# Altium PCB egse_pcb.PcbDoc (part 1 of 3) (continued)
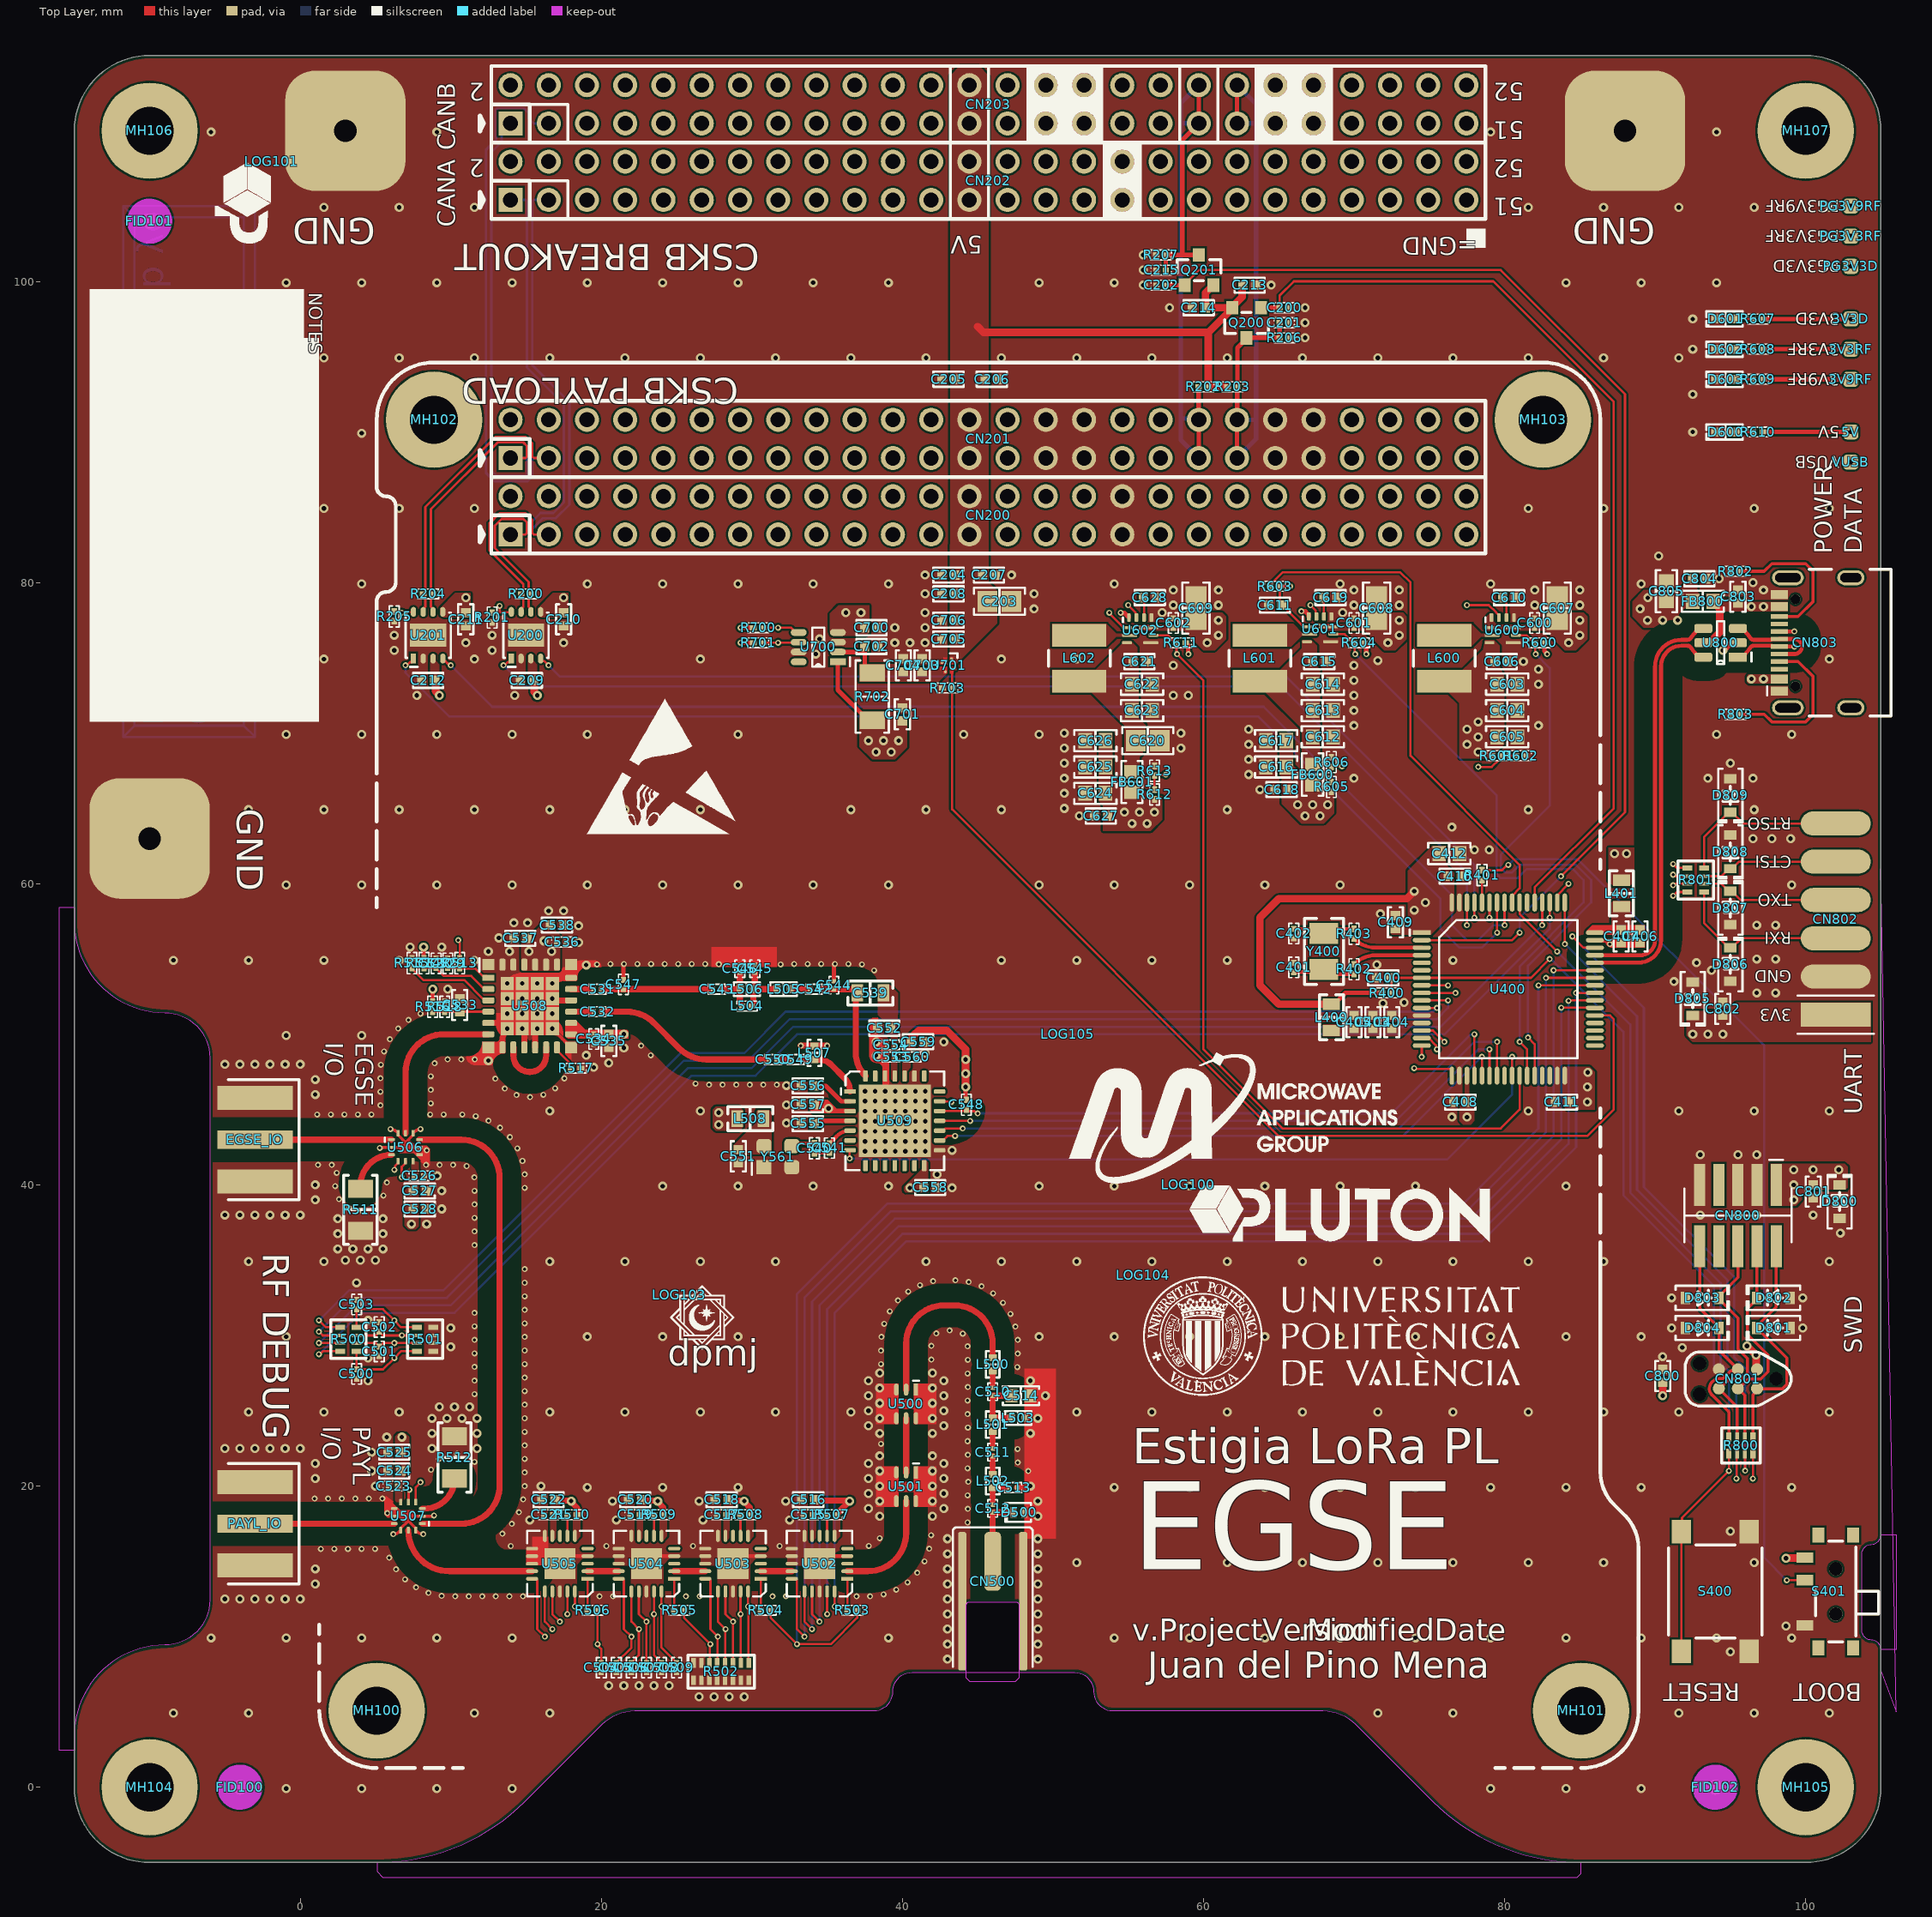
[diagram p0: Top Layer view]
## Components (designator, comment, footprint, x,y, rotation, side; value= is the part's Value field where it differs from the comment) (continued)
CN200 "SAMTEC SSQ-126-04-G-D" "SAMTEC SSQ-126-04-G-D" 13.97,83.19 r0 top locked
CN201 "SAMTEC SSQ-126-04-G-D" "SAMTEC SSQ-126-04-G-D" 13.97,88.27 r0 top locked
CN202 "SAMTEC SSQ-126-04-G-D" "SAMTEC SSQ NO 3D" 13.97,105.41 r0 top locked
CN203 "SAMTEC SSQ-126-04-G-D" "SAMTEC SSQ NO 3D" 13.97,110.49 r0 top locked
CN500 "CONMMCX013" CONMMCX013 46,15 r0 top
CN800 "FTSH-105-L-DV 2x5 1.27mm" "SAMTEC FTSH-105-L-DV" 95.5,37.965 r180 top locked
CN801 "TC2030-ICD" TC2030-MCP-NL 95.5,27.115 r180 top locked
CN802 "1x6 2.54mm" "HEADER 1X6 2.54MM" 102,51.3 r90 top
CN803 "USB4105-GF-A" USB4105-GF-A 101.835,76 r90 top locked
D500 "LXES15AAA1-153" 0402 47.75,18.25 r180 top
D600 "Green" "LED 0402_1005 GREEN" 94.675,90 r180 top
D601 "Yellow" "LED 0402_1005 YELLOW" 94.675,97.5 r180 top
D602 "Yellow" "LED 0402_1005 YELLOW" 94.675,95.5 r180 top
D603 "Red" "LED 0402_1005 RED" 94.675,93.5 r180 top
D800 "PESD3V3L1BA,115" SOD323 102.25,38.887 r90 top
D801 "PESD3V3L1BA,115" SOD323 97.862,30.5 r180 top
D802 "PESD3V3L1BA,115" SOD323 97.862,32.5 r180 top
D803 "PESD3V3L1BA,115" SOD323 93.137,32.5 r0 top
D804 "PESD3V3L1BA,115" SOD323 93.137,30.5 r0 top
D805 "PESD3V3L1BA,115" SOD323 92.5,52.362 r270 top
D806 "PESD3V3L1BA,115" SOD323 95,54.638 r90 top
D807 "PESD3V3L1BA,115" SOD323 95,58.388 r90 top
D808 "PESD3V3L1BA,115" SOD323 95,62.112 r270 top
D809 "PESD3V3L1BA,115" SOD323 95,65.862 r270 top
EGSE_IO "CON-SMA-EDGE-S" CON-SMA-EDGE-S -3,43 r90 top locked
FB600 "8.5 Ohms @ 100 MHz" "FER 0603_1608" 67.25,67.25 r270 top
FB601 "8.5 Ohms @ 100 MHz" "FER 0603_1608" 55.25,66.75 r270 top
FB800 "8.5 Ohms @ 100 MHz" "FER 0603_1608" 93.175,78.75 r180 top locked
FID100 "Fiducial Mark" FIDUCIAL_1_3_MM -4,0 r0 top locked
FID101 "Fiducial Mark" FIDUCIAL_1_3_MM -10,104 r0 top locked
FID102 "Fiducial Mark" FIDUCIAL_1_3_MM 94,0 r0 top
L400 "100nH" "IND 0603_1608 RF WW" 68.5,51.125 r270 top
L401 "100nH" "IND 0603_1608 RF WW" 87.769,59.353 r270 top
L500 "100 nH" "IND 0402_1005 RF WW" 46,28.08 r270 top
L501 "100 nH" "IND 0402_1005 RF WW" 46,24.08 r270 top
L502 "6 nH" "IND 0402_1005 RF WW" 46,20.33 r270 top
L503 "2.2 nH" "IND 0402_1005 RF WW" 47.69,24.52 r0 top
L504 "2.2 pF" "CAP 0201_0603" 29.677,51.874 r180 top
L505 "3.3 nH" "IND 0402_1005 RF WW" 32.11,53 r180 top
L506 "15 nH" "IND 0402_1005 RF WW" 29.67,53 r180 top
L507 "18 nH" "IND 0402_1005 RF WW" 34.16,48.765 r90 top
L508 "100nH" "IND 0603_1608 RF WW" 29.9,44.4 r0 top
L600 "2.2 µH" "BOURNS SRN4018" 76,74.975 r270 top
L601 "2.2 µH" "BOURNS SRN4018" 63.75,74.975 r270 top
L602 "2.2 µH" "BOURNS SRN4018" 51.75,74.975 r270 top
LOG100 "Pluton" logo_pluton 59,40 r0 top
LOG101 "Pluton isotype" logo_pluton_isotype -1.905,107.95 r270 top
LOG102 "Pluton iso small" logo_pluton_isotype_small -27.7,32.3 r270 top
LOG103 "AEA" logo_aea 25.2,32.7 r0 top
LOG104 "UPV" logo_upv 56,34 r0 top
LOG105 "MAG large" logo_mag_big 51,50 r0 top
MH100 "M3" "MH CUBESAT M3" 5.08,5.08 r0 top locked
MH101 "M3" "MH CUBESAT M3" 85.09,5.08 r0 top locked
MH102 "M3" "MH CUBESAT M3" 8.89,90.81 r0 top locked
MH103 "M3" "MH CUBESAT M3" 82.55,90.81 r0 top locked
MH104 "M3" "MH CUBESAT M3" -10,0 r0 top locked
MH105 "M3" "MH CUBESAT M3" 100,0 r0 top locked
MH106 "M3" "MH CUBESAT M3" -10,110 r0 top locked
MH107 "M3" "MH CUBESAT M3" 100,110 r0 top locked
PAYL_IO "CON-SMA-EDGE-S" CON-SMA-EDGE-S -3,17.5 r90 top locked
PG3V3D "Value" testpoint_via 103,101 r90 top
PG3V3RF "Value" testpoint_via 103,103 r90 top
PG3V9RF "Value" testpoint_via 103,105 r90 top
Q200 "BSS84-7-F" "DIODES SOT-23-3" 62.86,97.25 r270 top
Q201 "BSS84-7-F" "DIODES SOT-23-3" 59.7,100.75 r90 top
R200 "120 Ohms" "RES 0201_0603" 15,79.25 r180 top
R201 "100 kOhms" "RES 0201_0603" 12.75,77.675 r90 top
R202 "1 MOhms" "RES 0201_0603" 60,93 r0 top
R203 "1 MOhms" "RES 0201_0603" 61.925,93 r180 top
R204 "120 Ohms" "RES 0201_0603" 8.5,79.25 r180 top
R205 "100 kOhms" "RES 0201_0603" 6.25,77.75 r90 top
R206 "100 kOhms" "RES 0201_0603" 65.385,96.25 r0 top
R207 "100 kOhms" "RES 0201_0603" 57.175,101.75 r180 top
R400 "10 kOhms" "RES 0201_0603" 72.175,52.75 r180 top
R401 "10 kOhms" "RES 0201_0603" 78.5,60.575 r270 top
R402 "0 Ohms" "RES 0201_0603" 70,54.325 r90 top
R403 "0 Ohms" "RES 0201_0603" 70,56.675 r270 top
R500 "EXB-28V102JX" "RESNET 0804-8 CONVEX" 3.2,29.75 r0 top
R501 "EXB-28V472JX" "RESNET 0804-8 CONVEX" 8.3,29.75 r0 top
R502 "YC248-JR-0710KL" "RESNET 1606-16 CONVEX" 27.969,7.675 r90 top
R503 "10 kOhms" "RES 0201_0603" 36.675,11.75 r180 top
R504 "10 kOhms" "RES 0201_0603" 30.925,11.75 r180 top
R505 "10 kOhms" "RES 0201_0603" 25.175,11.75 r180 top
R506 "10 kOhms" "RES 0201_0603" 19.425,11.75 r180 top
R507 "10 kOhms" "RES 0201_0603" 35.325,18.095 r0 top
R508 "10 kOhms" "RES 0201_0603" 29.575,18.095 r0 top
R509 "10 kOhms" "RES 0201_0603" 23.825,18.095 r0 top
R510 "10 kOhms" "RES 0201_0603" 18.075,18.095 r0 top
R511 "49.9 Ohms" "RES 1206_3216" 4,38.35 r90 top locked
R512 "49.9 Ohms" "RES 1206_3216" 10.25,21.9 r270 top
R513 "1 kOhms" "RES 0201_0603" 10.6,54.725 r90 top
R514 "10 kOhms" "RES 0201_0603" 8.225,54.725 r90 top
R515 "0 Ohms" "RES 0201_0603" 7.425,54.725 r270 top
R516 "5.1 kOhms" "RES 0201_0603" 8.8,51.825 r90 top
R517 "0 Ohms" "RES 0201_0603" 18.325,47.75 r180 top
R518 "3.3 kOhms" "RES 0201_0603" 9.6,51.825 r270 top
R600 "100 kOhms" "RES 0201_0603" 82.325,76 r0 top
R601 "2.49 kOhms" "RES 0201_0603" 79.5,68.5 r180 top
R602 "4.87 kOhms" "RES 0201_0603" 81.075,68.5 r180 top
R603 "10 kOhms" "RES 0201_0603" 64.75,79.75 r180 top
R604 "100 kOhms" "RES 0201_0603" 70.325,76 r0 top
R605 "15.4 kOhms" "RES 0201_0603" 68.5,66.425 r270 top
R606 "4.87 kOhms" "RES 0201_0603" 68.5,68.075 r270 top
R607 "680 Ohms" "RES 0201_0603" 96.825,97.5 r0 top
R608 "680 Ohms" "RES 0201_0603" 96.825,95.5 r0 top
R609 "750 Ohms" "RES 0201_0603" 96.825,93.5 r0 top
R610 "1.5 kOhms" "RES 0201_0603" 96.825,90 r0 top
R611 "100 kOhms" "RES 0201_0603" 58.5,76 r0 top
R612 "19.1 kOhms" "RES 0201_0603" 56.75,65.925 r270 top
R613 "4.87 kOhms" "RES 0201_0603" 56.75,67.5 r270 top
R700 "4.7 kOhms" "RES 0201_0603" 30.425,77 r180 top
R701 "4.7 kOhms" "RES 0201_0603" 30.425,76 r180 top
R702 "10 mOhms" "STACKPOLE CSR1206" 38,72.425 r270 top
R703 "100 kOhms" "RES 0201_0603" 42.985,73 r180 top
R800 "YC124-FR-0749R9L" "RESNET 0804-8 CONVEX" 95.7,22.7 r270 top
R801 "YC124-FR-0749R9L" "RESNET 0804-8 CONVEX" 92.7,60.25 r180 top
R802 "5.1 kOhms" "RES 0201_0603" 95.325,80.75 r0 top locked
R803 "5.1 kOhms" "RES 0201_0603" 95.325,71.25 r0 top locked
S400 "430152043836" WS-TASV_L6W6H4.3_4301x20438x6 94,13 r270 top
S401 "450404015514" "WURTH WS-SLSU 450404015514" 102,13 r270 top
U200 "MCP2542FDT-E/MF" "DFN-8 3X3MM" 15,76.5 r90 top
U201 "MCP2542FDT-E/MF" "DFN-8 3X3MM" 8.5,76.5 r90 top
U400 "STM32L496RGT3" LQFP64 74.5,56.75 r0 top locked
U500 "YAT-3A+" MC1630 40.9,26.4 r270 top
U501 "YAT-30A+" MC1630 40.9,20.9 r270 top
U502 "DAT-31R5A-PP+" DG983-2 36.345,13.845 r180 top
U503 "DAT-31R5A-PP+" DG983-2 30.595,13.845 r180 top
U504 "DAT-31R5A-PP+" DG983-2 24.845,13.845 r180 top
U505 "DAT-31R5A-PP+" DG983-2 19.095,13.845 r180 top
U506 "SKY13373-460LF" SKY13373-460LF 7,42.5 r0 top locked
U507 "SKY13373-460LF" SKY13373-460LF 7.18,18 r180 top locked
U508 "SKY65366-21" MCM-28-SKY65366-21 12.5,53.75 r0 top locked
U509 "SX1276IMLTRT" QFN-28 36.525,46.2 r0 top locked
U600 "TPS62912" VQFN-HR-TPS6291X 79.125,77.675 r0 top
U601 "TPS62912" VQFN-HR-TPS6291X 67,77.75 r0 top
U602 "TPS62912" VQFN-HR-TPS6291X 55.05,77.675 r0 top
U700 "INA232" SOP-23-8 35.715,74.735 r180 top
U701 "MIC94080YFT" MIC94080YFT 43.06,74.5 r180 top
U800 "USBLC6-2SC6" SOT23-6L 95.5,75.05 r180 top locked
VUSB "Value" testpoint_via 103,88 r90 top
Y400 "32.768 kHz" "ABRACON ABS07" 68,55.5 r90 top
Y561 "FT2MNTUM-32.0-T1" TCXO-XTAL-FT2MN 30.81,42.575 r0 top (schematic designator C561)

## Footprints (in the part's own frame and the unit in brackets; to place one, negate y for a bottom-side part, rotate by r counter-clockwise, add the part's x,y. Pads: shape width x height; smd on the part's side, far side on the other; paste and mask are expansions set on the pad)
0402 [mm] "SODFL, 2-Leads, Body 0.675x1.075mm, IPC Medium Density"
  rect 0.4x0.7 smd: 1(-0.35,0) 2(0.35,0)
  silkscreen extent -0.8,-0.63 0.92,0.63, body extent -0.51,-0.31 0.5,0.3, height 0.45
"ABRACON ABS07" [mm] "Crystal, 2-Leads, Body 3.20x1.50mm, IPC Medium Density"
  rect 1.4x1.9 smd: 1(-1.2,0) 2(1.2,0)
  silkscreen extent -2.2,-1.3 2.2,1.3, body extent -1.62,-0.77 1.63,0.78, height 0.9
"BOURNS SRN4018" [mm] "Power Inductor, 2-Leads, Bourns, SRN4018-220M"
  rect 1.5x3.6 smd: 1(-1.525,0) 2(1.525,0)
  silkscreen extent -0.53,-2.05 0.53,2.05, body extent -2.05,-2.05 2.05,2.05, height 1.8
"CAP 0201_0603" [mm] "Chip Capacitor, 2-Leads, Body 0.60x0.30mm, IPC Medium Density"
  rect 0.4x0.35 smd: 1(-0.31,0) 2(0.31,0)
  silkscreen extent -0.67,-0.33 0.67,0.33, body extent -0.3,-0.15 0.3,0.15, height 0.3
"CAP 0201_0603 RF" [mm] "Chip Capacitor, 2-Leads, Body 0.60x0.30mm, IPC High Density"
  rect 0.3x0.32 smd: 1(-0.26,0) 2(0.26,0)
  silkscreen extent -0.58,-0.33 0.58,0.33, body extent -0.3,-0.15 0.3,0.15, height 0.3
"CAP 0402_1005" [mm] "Chip Capacitor, 2-Leads, Body 1.02x0.51mm, IPC Medium Density"
  rect 0.6x0.64 smd: 1(-0.44,0) 2(0.44,0)
  silkscreen extent -1,-0.5 1,0.5, body extent -0.5,-0.26 0.5,0.26, height 0.52
"CAP 0603_1608" [mm] "Chip Capacitor, 2-Leads, Body 1.60x0.80mm, IPC Medium Density"
  rect 0.9x1 smd: 1(-0.675,0) 2(0.675,0)
  silkscreen extent -1.4,-0.7 1.4,0.7, body extent -0.8,-0.41 0.8,0.41, height 0.82
"CAP 0603_1608 RF" [mm] "Chip Capacitor, 2-Leads, Body 1.60x0.80mm, IPC High Density"
  rect 0.8x0.9 smd: 1(-0.625,0) 2(0.625,0)
  silkscreen extent -1.2,-0.63 1.2,0.63, body extent -0.8,-0.41 0.8,0.41, height 0.82
"CAP 0805_2012" [mm] "Chip Capacitor, 2-Leads, Body 2.00x1.20mm, IPC Medium Density"
  rect 1.3x1.4 smd: 1(-0.8,0) 2(0.8,0)
  silkscreen extent -1.7,-0.9 1.7,0.9, body extent -1,-0.64 1,0.64, height 1.26
CON-SMA-EDGE-S [mm] "CON-SMA-EDGE-S"
  rect 1.2x5 smd paste+0 mask+0: 1(0,0)
  rect 1.6x5 smd paste+0 mask+0: 2(-2.77,0) 2(2.77,0)
  rect 1.6x5 smd far side paste+0 mask+0: 4(-2.77,0) 5(2.77,0)
  silkscreen extent -4,-2.94 4,1.76, body extent -3.67,-2.6 3.67,12.12, height 0.25
CONMMCX013 [mm] "Linx technologies CONMMCX013 MMCX Jack PCB Cutout Edge Mount Connector"
  rrect50% 1.1x3.9 smd: 1(0,0)
  rrect50% 0.55x9.2 smd: 2(-2.025,-2.65) 2(2.025,-2.65)
  silkscreen extent -2.65,-7 2.65,2.25, body extent -2.25,-7.37 2.25,0.13, height 2.15
"DFN-8 3X3MM" [mm] "DFN, 8-Leads, Body 3.00x3.00mm, Pitch 0.65mm, Thermal Pad 1.50x2.0mm, IPC Medium Density"
  rect 1.55x2.4 smd: 0(0,0)
  rect 0.65x0.35 smd: 1(-1.55,0.975)
  oval 0.65x0.35 smd: 2(-1.55,0.325) 3(-1.55,-0.325) 4(-1.55,-0.975) 5(1.55,-0.975) 6(1.55,-0.325) 7(1.55,0.325) 8(1.55,0.975)
  silkscreen extent -2.1,-1.5 1.5,1.5, body extent -1.5,-1.5 1.5,1.5, height 1.05
DG983-2 [mm] "Mini-Circuits DG983-2"
  rect 2.06x2.06 smd: 0(1.845,-1)
  rect 0.81x0.25 smd: 1(0,0)
  oval 0.81x0.25 smd: 2(0,-0.5) 3(0,-1) 4(0,-1.5) 5(0,-2) 11(3.69,-2) 12(3.69,-1.5) 13(3.69,-1) 14(3.69,-0.5) 15(3.69,0)
  oval 0.25x0.81 smd: 6(0.845,-2.845) 7(1.345,-2.845) 8(1.845,-2.845) 9(2.345,-2.845) 10(2.845,-2.845) 16(2.845,0.845) 17(2.345,0.845) 18(1.845,0.845) 19(1.345,0.845) 20(0.845,0.845)
  silkscreen extent -0.33,-3.17 4.02,1.17, body extent -0.21,-3.05 3.9,1.05, height 0.85
"DIODES SOT-23-3" [mm] "SOT23, 3-Leads, Body 2.90x2.40mm, Pitch 0.95mm, IPC Medium Density"
  rect 0.9x0.8 smd: 1(-1,0.95) 2(-1,-0.95) 3(1,0)
  silkscreen extent -0.7,-1.45 0.7,1.45, body extent -1.41,-1.45 1.41,1.45, height 1.5
"FER 0603_1608" [mm] "Chip Ferrite, 2-Leads, Body 1.60x0.80mm, IPC Medium Density"
  rect 0.9x1 smd: 1(-0.675,0) 2(0.675,0)
  silkscreen extent -1.4,-0.7 1.4,0.7, body extent -0.8,-0.41 0.8,0.41, height 0.82
FIDUCIAL_1_3_MM [mm]
  round 1 smd mask+1: 0(0,0)
  Top Layer keep-out circle w1.5: c0,0 r0.75
"HEADER 1X6 2.54MM" [mm] "Header 1x6 2.54mm THT for UART"
  rect 1.6x4.65 smd: 1(0,0)
  oval 1.6x4.65 smd: 2(2.54,0) 3(5.08,0) 4(7.62,0) 5(10.16,0) 6(12.7,0)
  silkscreen extent -1.27,-2.54 1.27,2.54
"IND 0402_1005 RF WW" [mm] "Chip Inductor, 2-Leads, Body 1.00x0.50mm, IPC High Density"
  rect 0.48x0.54 smd: 1(-0.44,0) 2(0.44,0)
  silkscreen extent -0.87,-0.45 0.87,0.45, body extent -0.5,-0.29 0.5,0.29, height 0.51
"IND 0603_1608 RF WW" [mm] "Chip Inductor, 2-Leads, Body 1.65x0.99mm, IPC Medium Density"
  rect 0.76x1.13 smd: 1(-0.875,0) 2(0.875,0)
  silkscreen extent -1.5,-0.8 1.5,0.8, body extent -0.84,-0.58 0.83,0.58, height 1
"LED 0402_1005 GREEN" [mm] "Chip Diode, 2-Leads, Body 1.00x0.50mm, IPC Medium Density"
  rect 0.75x0.6 smd: 1(-0.575,0) 2(0.575,0)
  silkscreen extent -1.14,-0.51 1.27,0.51, body extent -0.5,-0.25 0.5,0.25, height 0.21
"LED 0402_1005 RED" [mm] "Chip Diode, 2-Leads, Body 1.00x0.50mm, IPC Medium Density"
  rect 0.75x0.6 smd: 1(-0.575,0) 2(0.575,0)
  silkscreen extent -1.14,-0.51 1.27,0.51, body extent -0.5,-0.25 0.5,0.25, height 0.21
"LED 0402_1005 YELLOW" [mm] "Chip Diode, 2-Leads, Body 1.00x0.50mm, IPC Medium Density"
  rect 0.75x0.6 smd: 1(-0.575,0) 2(0.575,0)
  silkscreen extent -1.14,-0.51 1.27,0.51, body extent -0.5,-0.25 0.5,0.25, height 0.21
logo_aea [mm]
  silkscreen extent -0.62,-3.63 3.63,0.62
logo_mag_big [mm]
  silkscreen extent 0.07,-9.89 21.88,-1.22
logo_pluton [mm]
  silkscreen extent 0.07,-3.8 20.03,-0.06
logo_pluton_isotype [mm]
  silkscreen extent 0.07,-3.75 5.43,-0.06
logo_pluton_isotype_small [mm]
  silkscreen extent 0.06,-1.61 2.53,0.12
logo_upv [mm]
  silkscreen extent 0,-8 25,-0.09
LQFP64 [mm]
  rect 1.2x0.3 smd: 1(0,0)
  oval 1.2x0.3 smd: 2(0,-0.5) 3(0,-1) 4(0,-1.5) 5(0,-2) 6(0,-2.5) 7(0,-3) 8(0,-3.5) 9(0,-4) 10(0,-4.5) 11(0,-5) 12(0,-5.5) 13(0,-6) 14(0,-6.5) 15(0,-7) 16(0,-7.5) 33(11.5,-7.5) 34(11.5,-7) 35(11.5,-6.5) 36(11.5,-6) 37(11.5,-5.5) 38(11.5,-5) 39(11.5,-4.5) 40(11.5,-4) 41(11.5,-3.5) 42(11.5,-3) 43(11.5,-2.5) 44(11.5,-2) 45(11.5,-1.5) 46(11.5,-1) 47(11.5,-0.5) 48(11.5,0)
  oval 0.3x1.2 smd: 17(2,-9.5) 18(2.5,-9.5) 19(3,-9.5) 20(3.5,-9.5) 21(4,-9.5) 22(4.5,-9.5) 23(5,-9.5) 24(5.5,-9.5) 25(6,-9.5) 26(6.5,-9.5) 27(7,-9.5) 28(7.5,-9.5) 29(8,-9.5) 30(8.5,-9.5) 31(9,-9.5) 32(9.5,-9.5) 49(9.5,2) 50(9,2) 51(8.5,2) 52(8,2) 53(7.5,2) 54(7,2) 55(6.5,2) 56(6,2) 57(5.5,2) 58(5,2) 59(4.5,2) 60(4,2) 61(3.5,2) 62(3,2) 63(2.5,2) 64(2,2)
  silkscreen extent -0.8,-8.34 10.34,0.84, body extent -0.25,-9.75 11.75,2.25, height 1.56
MC1630 [mm] "Mini-Circuits MC1630"
  round 0.025 smd: 0(0.95,-0.65)
  rect 0.8x0.3 smd: 1(0,0)
  oval 0.8x0.3 smd: 2(0,-0.65) 3(0,-1.3) 4(1.9,0) 5(1.9,-0.65) 6(1.9,-1.3)
  Top Layer region: 1.275,-1.275 0.625,-1.275 0.625,-0.22 0.82,-0.025 1.275,-0.025
  silkscreen extent -0.6,-0.2 -0.6,0.2, body extent -0.06,-1.65 1.96,0.35, height 0.85
MCM-28-SKY65366-21 [mm]
  rect 0.875x0.875 smd: 0(1.25,-3.375) 0(1.25,-2.375) 0(1.25,-1.375) 0(1.25,-0.375) 0(2.25,-3.375) 0(2.25,-2.375) 0(2.25,-1.375) 0(2.25,-0.375) 0(3.25,-3.375) 0(3.25,-2.375) 0(3.25,-1.375) 0(3.25,-0.375) 0(4.25,-3.375) 0(4.25,-2.375) 0(4.25,-1.375) 0(4.25,-0.375)
  rect 0.8x0.75 smd: 1(0,0.875) 8(0,-4.625) 15(5.499,-4.625) 22(5.499,0.875)
  rect 0.8x0.4 smd: 2(0,0)
  rrect50% 0.8x0.4 smd: 3(0,-0.75) 4(0,-1.5) 5(0,-2.25) 6(0,-3) 7(0,-3.75) 16(5.499,-3.75) 17(5.499,-3) 18(5.499,-2.25) 19(5.499,-1.5) 20(5.499,-0.75) 21(5.499,0)
  rrect50% 0.4x0.8 smd: 9(0.937,-4.625) 10(1.662,-4.625) 11(2.387,-4.625) 12(3.112,-4.625) 13(3.837,-4.625) 14(4.562,-4.625) 23(4.562,0.875) 24(3.837,0.875) 25(3.112,0.875) 26(2.387,0.875) 27(1.662,0.875) 28(0.937,0.875)
  silkscreen extent -0.6,0.4 -0.6,1.3, body extent -0.23,-4.88 5.77,1.12, height 1.05
"MH CUBESAT M3" [mm]
  round 6.4 hole 3.2: 1(0,0)
MIC94080YFT [mm] "MIC94080YFT"
  round 0.198 smd paste-1000 mask+0: 1(-0.2,-0.42) 2(0.42,-0.2) 3(0.2,0.42) 4(-0.42,0.2)
  Top Layer region: -0.53,-0.09 -0.09,-0.09 -0.09,-0.53 -0.32,-0.53 -0.32,-0.32 -0.53,-0.32
  Top Layer region: 0.53,-0.09 0.09,-0.09 0.09,-0.525 0.32,-0.53 0.32,-0.32 0.53,-0.32
  Top Layer region: 0.53,0.09 0.09,0.09 0.09,0.53 0.32,0.53 0.32,0.32 0.53,0.32
  Top Layer region: -0.53,0.09 -0.09,0.09 -0.09,0.53 -0.32,0.53 -0.32,0.32 -0.53,0.32
  silkscreen extent -0.6,-0.8 -0.1,-0.5, body extent -0.63,-0.63 0.63,0.63, height 0.25
QFN-28 [mm]
  rect 4.8x4.8 smd: 0(2.975,-1.95)
  rect 0.75x0.3 smd: 1(0,0)
  rrect50% 0.75x0.3 smd: 2(0,-0.65) 3(0,-1.3) 4(0,-1.95) 5(0,-2.6) 6(0,-3.25) 7(0,-3.9) 15(5.95,-3.9) 16(5.95,-3.25) 17(5.95,-2.6) 18(5.95,-1.95) 19(5.95,-1.3) 20(5.95,-0.65) 21(5.95,0)
  rrect50% 0.3x0.75 smd: 8(1.025,-4.925) 9(1.675,-4.925) 10(2.325,-4.925) 11(2.975,-4.925) 12(3.625,-4.925) 13(4.275,-4.925) 14(4.925,-4.925) 22(4.925,1.025) 23(4.275,1.025) 24(3.625,1.025) 25(2.975,1.025) 26(2.325,1.025) 27(1.675,1.025) 28(1.025,1.025)
  silkscreen extent -0.6,-5.23 6.25,1.32, body extent 0,-4.97 6,1.02, height 0.88
"RES 0201_0603" [mm] "Chip Resistor, 2-Leads, Body 0.60x0.30mm, IPC Medium Density"
  rect 0.44x0.35 smd: 1(-0.325,0) 2(0.325,0)
  silkscreen extent -0.7,-0.33 0.7,0.33, body extent -0.3,-0.15 0.3,0.15, height 0.21
"RES 1206_3216" [mm] "Chip Resistor, 2-Leads, Body 3.13x1.55mm, IPC Medium Density"
  rect 1.2x1.65 smd: 1(-1.4,0) 2(1.4,0)
  silkscreen extent -2.3,-1.1 2.3,1.1, body extent -1.6,-0.8 1.6,0.8, height 0.6
"RESNET 0804-8 CONVEX" [mm] "4 resistor 2.0x1.0mm, 0.65mm high"
  rect 0.65x0.35 smd: 1(-0.55,0.8) 4(-0.55,-0.8) 5(0.55,-0.8) 8(0.55,0.8)
  rect 0.65x0.25 smd: 2(-0.55,0.25) 3(-0.55,-0.25) 6(0.55,-0.25) 7(0.55,0.25)
  silkscreen extent -1.17,-1.28 1.17,1.28, body extent -0.53,-1.02 0.53,1.03, height 0.56
"RESNET 1606-16 CONVEX" [mm] "Array Chip Resistor, 16 leads, 8 resistors"
  rect 0.65x0.3 smd mask+0.032: 1(-0.575,1.84) 2(-0.575,1.316) 4(-0.575,0.267) 5(-0.575,-0.257) 6(-0.575,-0.781) 7(-0.575,-1.306) 8(-0.575,-1.83) 9(0.575,-1.83) 10(0.575,-1.306) 11(0.575,-0.781) 12(0.575,-0.257) 13(0.575,0.267) 15(0.575,1.316) 16(0.575,1.84)
  rect 0.65x0.3 smd paste+0 mask+0.032: 3(-0.575,0.791) 14(0.575,0.791)
  silkscreen extent -1.1,-2.2 1.1,2.2, body extent -0.84,-2.03 0.84,2.02, height 0.56
"SAMTEC FTSH-105-L-DV" [mm] "Samtec ftsh-105-l-dv"
  rect 0.74x2.79 smd paste+0 mask+0: 1(-2.54,-2.035) 2(-2.54,2.035) 3(-1.27,-2.035) 4(-1.27,2.035) 5(0,-2.035) 6(0,2.035) 7(1.27,-2.035) 8(1.27,2.035) 9(2.54,-2.035) 10(2.54,2.035)
  silkscreen extent -3.56,-3.7 3.56,1.78, body extent -3.18,-2.92 3.18,2.92, height 6.11
"SAMTEC SSQ NO 3D" [mm] "THROUGH-HOLE .025\" SQ POST SOCKET (2.54 mm) .100\" PITCH, SSW/SSQ SERIES"
  rect 1.6x1.6 hole 1: 1(0,0)
  round 1.6 hole 1: 2(0,2.54) 3(2.54,0) 4(2.54,2.54) 5(5.08,0) 6(5.08,2.54) 7(7.62,0) 8(7.62,2.54) 9(10.16,0) 10(10.16,2.54) 11(12.7,0) 12(12.7,2.54) 13(15.24,0) 14(15.24,2.54) 15(17.78,0) 16(17.78,2.54) 17(20.32,0) 18(20.32,2.54) 19(22.86,0) 20(22.86,2.54) 21(25.4,0) 22(25.4,2.54) 23(27.94,0) 24(27.94,2.54) 25(30.48,0) 26(30.48,2.54) 27(33.02,0) 28(33.02,2.54) 29(35.56,0) 30(35.56,2.54) 31(38.1,0) 32(38.1,2.54) 33(40.64,0) 34(40.64,2.54) 35(43.18,0) 36(43.18,2.54) 37(45.72,0) 38(45.72,2.54) 39(48.26,0) 40(48.26,2.54) 41(50.8,0) 42(50.8,2.54) 43(53.34,0) 44(53.34,2.54) 45(55.88,0) 46(55.88,2.54) 47(58.42,0) 48(58.42,2.54) 49(60.96,0) 50(60.96,2.54) 51(63.5,0) 52(63.5,2.54)
  silkscreen extent -2.03,-1.27 64.77,3.81
"SAMTEC SSQ-126-04-G-D" [mm] "THROUGH-HOLE .025\" SQ POST SOCKET (2.54 mm) .100\" PITCH, SSW/SSQ SERIES"
  rect 1.6x1.6 hole 1: 1(0,0)
  round 1.6 hole 1: 2(0,2.54) 3(2.54,0) 4(2.54,2.54) 5(5.08,0) 6(5.08,2.54) 7(7.62,0) 8(7.62,2.54) 9(10.16,0) 10(10.16,2.54) 11(12.7,0) 12(12.7,2.54) 13(15.24,0) 14(15.24,2.54) 15(17.78,0) 16(17.78,2.54) 17(20.32,0) 18(20.32,2.54) 19(22.86,0) 20(22.86,2.54) 21(25.4,0) 22(25.4,2.54) 23(27.94,0) 24(27.94,2.54) 25(30.48,0) 26(30.48,2.54) 27(33.02,0) 28(33.02,2.54) 29(35.56,0) 30(35.56,2.54) 31(38.1,0) 32(38.1,2.54) 33(40.64,0) 34(40.64,2.54) 35(43.18,0) 36(43.18,2.54) 37(45.72,0) 38(45.72,2.54) 39(48.26,0) 40(48.26,2.54) 41(50.8,0) 42(50.8,2.54) 43(53.34,0) 44(53.34,2.54) 45(55.88,0) 46(55.88,2.54) 47(58.42,0) 48(58.42,2.54) 49(60.96,0) 50(60.96,2.54) 51(63.5,0) 52(63.5,2.54)
  silkscreen extent -2.03,-1.27 64.77,3.81, body extent -1.52,-1.21 65.02,3.75, height 8.51
SKY13373-460LF [mm] "SKY13373-460LF"
  round 0.025 smd paste+0: 0(0,0)
  rect 0.44x0.2 smd paste+0: 1(-0.93,0.5)
  rrect50% 0.44x0.2 smd paste+0: 2(-0.93,0) 3(-0.93,-0.5) 7(0.93,-0.5) 8(0.93,0) 9(0.93,0.5)
  rrect50% 0.2x0.44 smd paste+0: 4(-0.5,-0.93) 5(0,-0.93) 6(0.5,-0.93) 10(0.5,0.93) 11(0,0.93) 12(-0.5,0.93)
  Top Layer region: 0.38,-0.38 -0.38,-0.38 -0.38,0.152 -0.152,0.38 0.38,0.38
  silkscreen extent -1.38,0.38 -1.38,0.63, body extent -1,-1 1,1, height 0.55
SOD323 [mm] "SOD, 2-Leads, Body 1.25x2.50mm, IPC Medium Density"
  rect 0.625x0.83 smd: 1(-1.112,0) 2(1.112,0)
  silkscreen extent -1.78,-0.8 1.78,0.8, body extent -1.36,-0.62 1.36,0.62, height 1.05
SOP-23-8 [mm]
  rect 1.05x0.45 smd: 1(0,0)
  oval 1.05x0.45 smd: 2(0,-0.65) 3(0,-1.3) 4(0,-1.95) 5(2.6,-1.95) 6(2.6,-1.3) 7(2.6,-0.65) 8(2.6,0)
  silkscreen extent -0.8,-2.28 1.7,0.33, body extent -0.1,-2.45 2.7,0.45, height 1.1
SOT23-6L [mm]
  rect 1.2x0.6 smd: 1(0,0)
  rrect50% 1.2x0.6 smd: 2(0,-0.95) 3(0,-1.9) 4(2.3,-1.9) 5(2.3,-0.95) 6(2.3,0)
  silkscreen extent -0.9,-2.38 1.39,0.48, body extent -0.25,-2.41 2.55,0.51, height 1.45
"STACKPOLE CSR1206" [mm] "Chip Resistor, 2-Leads, Body 3.13x1.55mm, IPC Medium Density"
  rect 1.15x1.7 smd: 1(-1.575,0) 2(1.575,0)
  silkscreen extent -2.4,-1.1 2.4,1.1, body extent -1.6,-0.78 1.6,0.77, height 0.55
TC2030-MCP-NL [mm] "Conector ICD en placa"
  round 0.8 smd paste-0.4: 1(-1.27,-0.635) 2(-1.27,0.635) 3(0,-0.635) 4(0,0.635) 5(1.27,-0.635) 6(1.27,0.635)
  round 0.85 hole 0.9 unplated mask+0: ""(-2.54,0) ""(2.54,-1.016) ""(2.54,1.016)
  silkscreen extent -3.54,-1.8 3.5,1.8, body extent -3.54,-1.8 3.5,1.8
TCXO-XTAL-FT2MN [mm]
  rect 1x0.95 smd: 1(0,-1.4)
  rrect50% 1x0.95 smd: 2(1.85,-1.4) 3(1.85,0) 4(0,0)
  silkscreen extent -0.8,-1.9 -0.8,-0.9, body extent -0.08,-1.5 1.92,0.1, height 0.8